# KiCad board robot.kicad_pcb (continued)
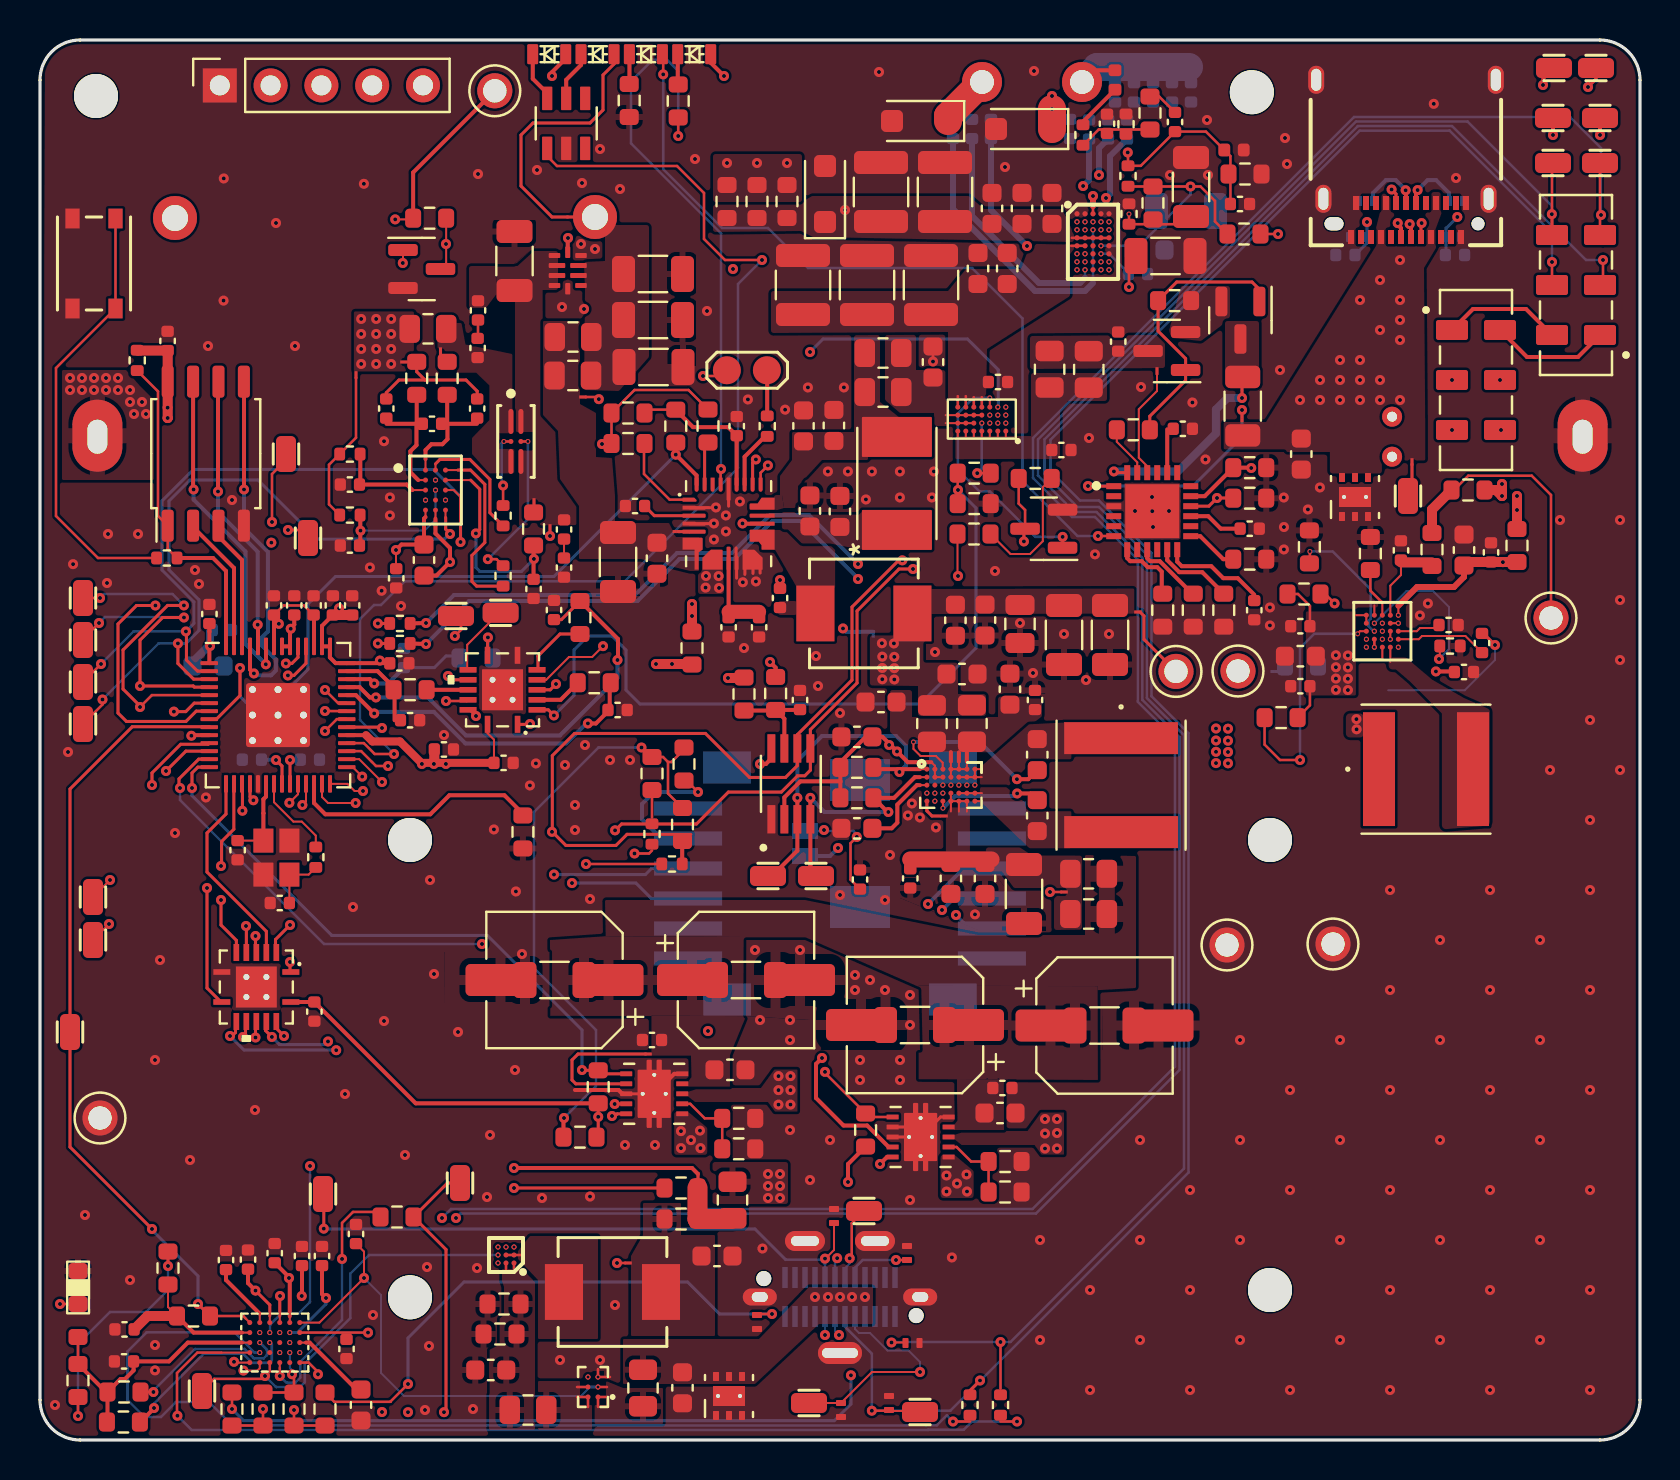
[diagram p0: board, top side]
## Footprints (pads in the part's own frame, mm; a bottom-side part is the same pattern mirrored in y, then rotated) (continued)
NetTie-_SMD_Pad6mil
  rect 0.2x0.152 smd: 1(-0.09,0) 2(0.09,0)
NRS6028T1R5NMGJ
  rect 1.6x5.69 smd: 1(-2.349,0) 2(2.349,0)
ON_Semiconductor-568AL-10_2013-O-MFG
  rrect 1.25x0.25 smd: 1(-1,-0.25) 3(1,-0.25) 4(1,0.25) 6(-1,0.25)
  round 0.25 smd: 2(0,-0.25) 5(0,0.25)
PinSocket_1x05_P2.54mm_Vertical
  rect 1.7x1.7 hole 1: 1(0,0)
  oval 1.7x1.7 hole 1: 2(0,-2.54) 3(0,-5.08) 4(0,-7.62) 5(0,-10.16)
R_0402_1005Metric
  rrect 0.54x0.64 smd: 1(-0.51,0) 2(0.51,0)
R_0603_1608Metric
  rrect 0.8x0.95 smd: 1(-0.825,0) 2(0.825,0)
R_0603_1608Metric_3pin_Switch
  rrect 0.8x0.95 smd: 1(-1.616,0.032) 2(0.034,0.032) 3(1.684,0.032)
R_0805_2012Metric
  rrect 1.025x1.4 smd: 1(-0.912,0) 2(0.912,0)
R_1206_3216Metric
  rrect 1.125x1.75 smd: 1(-1.462,0) 2(1.462,0)
RP2040-QFN-56
  rrect 1.084x1.084 smd: (-0.637,0.637) (-0.637,-0.637) (0.637,0.637) (0.637,-0.637)
  rrect 0.875x0.2 smd: 1(-3.438,2.6) 2(-3.438,2.2) 3(-3.438,1.8) 4(-3.438,1.4) 5(-3.438,1) 6(-3.438,0.6) 7(-3.438,0.2) 8(-3.438,-0.2) 9(-3.438,-0.6) 10(-3.438,-1) 11(-3.438,-1.4) 12(-3.438,-1.8) 13(-3.438,-2.2) 14(-3.438,-2.6) 29(3.438,-2.6) 30(3.438,-2.2) 31(3.438,-1.8) 32(3.438,-1.4) 33(3.438,-1) 34(3.438,-0.6) 35(3.438,-0.2) 36(3.438,0.2) 37(3.438,0.6) 38(3.438,1) 39(3.438,1.4) 40(3.438,1.8) 41(3.438,2.2) 42(3.438,2.6)
  rrect 0.2x0.875 smd: 15(-2.6,-3.438) 16(-2.2,-3.438) 17(-1.8,-3.438) 18(-1.4,-3.438) 19(-1,-3.438) 20(-0.6,-3.438) 21(-0.2,-3.438) 22(0.2,-3.438) 23(0.6,-3.438) 24(1,-3.438) 25(1.4,-3.438) 26(1.8,-3.438) 27(2.2,-3.438) 28(2.6,-3.438) 43(2.6,3.438) 44(2.2,3.438) 45(1.8,3.438) 46(1.4,3.438) 47(1,3.438) 48(0.6,3.438) 49(0.2,3.438) 50(-0.2,3.438) 51(-0.6,3.438) 52(-1,3.438) 53(-1.4,3.438) 54(-1.8,3.438) 55(-2.2,3.438) 56(-2.6,3.438)
  round 0.6 hole 0.35: 57(-1.275,1.275) 57(-1.275,0) 57(-1.275,-1.275) 57(0,1.275) 57(0,0) 57(0,-1.275) 57(1.275,1.275) 57(1.275,0) 57(1.275,-1.275)
  rrect 3.2x3.2 smd: 57(0,0)
SD2114S040S8R0
  rrect 2x3.5 smd: 1(-2.325,0) 2(2.325,0)
SN74AHC125RGYR
  rect 0.28x0.85 smd: 1(-0.75,1.725) 7(-0.75,-1.725) 8(0.75,-1.725) 14(0.75,1.725)
  rect 0.85x0.28 smd: 2(-1.725,1) 3(-1.725,0.5) 4(-1.725,0) 5(-1.725,-0.5) 6(-1.725,-1) 9(1.725,-1) 10(1.725,-0.5) 11(1.725,0) 12(1.725,0.5) 13(1.725,1)
  round 0.5 hole 0.3: PAD(-0.5,0.5) PAD(-0.5,-0.5) PAD(0.5,0.5) PAD(0.5,-0.5)
  rect 2.05x2.05 smd: PAD(0,0)
SOIC-8_5.23x5.23mm_P1.27mm
  rrect 1.6x0.6 smd: 1(-3.6,1.905) 2(-3.6,0.635) 3(-3.6,-0.635) 4(-3.6,-1.905) 5(3.6,-1.905) 6(3.6,-0.635) 7(3.6,0.635) 8(3.6,1.905)
SOP65P400X130-8N
  rrect 1.42x0.4 smd: 1(-1.77,0.975) 2(-1.77,0.325) 3(-1.77,-0.325) 4(-1.77,-0.975) 5(1.77,-0.975) 6(1.77,-0.325) 7(1.77,0.325) 8(1.77,0.975)
SOT95P280X145-6N
  rrect 1.17x0.51 smd: 1(-1.25,0.95) 2(-1.25,0) 3(-1.25,-0.95) 4(1.25,-0.95) 5(1.25,0) 6(1.25,0.95)
SOT-23
  rrect 1.475x0.6 smd: 1(-0.938,0.95) 2(-0.938,-0.95) 3(0.938,0)
SW4_PTS815 SJM 250 SMTR LFS_CNK
  rect 0.991x0.711 smd: 1(-2.25,1.075) 2(2.25,1.075) 3(-2.25,-1.075) 4(2.25,-1.075)
SW_JS202011JCQN
  rrect 1x1.6 smd: 1(-2.5,-1.2) 2(0,-1.2) 3(2.5,-1.2) 4(-2.5,1.2) 5(0,1.2) 6(2.5,1.2)
TestPoint_2Pads_Pitch2mm_SMD
  round 1.4 smd: 1(0,0) 2(2,0)
TestPoint_SMD_0603
  rrect 1.8x1 smd: 1(0,0)
Texas_Instruments-YFF0009-BGA9C40P3X3_119X129X62
  rrect 0.255x0.255 smd: (-0.4,0.4) (-0.4,0) (-0.4,-0.4) (0,0.4) (0,0) (0,-0.4) (0.4,0.4) (0.4,0) (0.4,-0.4)
  round 0.25 smd: A1(-0.4,0.4) A2(0,0.4) A3(0.4,0.4) B1(-0.4,0) B2(0,0) B3(0.4,0) C1(-0.4,-0.4) C2(0,-0.4) C3(0.4,-0.4)
Texas_Instruments-YZF0015-0-0-MFG
  rrect 0.255x0.255 smd: (-0.5,1) (-0.5,0.5) (-0.5,0) (-0.5,-0.5) (-0.5,-1) (0,1) (0,0.5) (0,0) (0,-0.5) (0,-1) (0.5,1) (0.5,0.5) (0.5,0) (0.5,-0.5) (0.5,-1)
  round 0.25 smd: A1(-0.5,1) A2(0,1) A3(0.5,1) B1(-0.5,0.5) B2(0,0.5) B3(0.5,0.5) C1(-0.5,0) C2(0,0) C3(0.5,0) D1(-0.5,-0.5) D2(0,-0.5) D3(0.5,-0.5)
  round 0.245 smd: E1(-0.5,-1) E2(0,-1) E3(0.5,-1)
THT_JumperLead
  round 2.2 hole 1.3: 1(0,0)
THT_Pitch5mm_Drill1.2mm
  round 2 hole 1.2: 1(0,0) 2(5,0)
TPD1E05U06DPYR
  rrect 0.3x0.5 smd: 1(-0.35,0) 2(0.35,0)
TPS22998RYZR
  rrect 0.575x0.25 smd: 1(-0.663,0.75) 4(-0.663,-0.75) 6(0.663,-0.75) 9(0.663,0.75)
  rrect 0.825x0.25 smd: 2(-0.538,0.25) 3(-0.538,-0.25) 7(0.538,-0.25) 8(0.538,0.25)
  rrect 0.25x0.575 smd: 5(0,-0.912) 10(0,0.913)
TVS0500DRVR
  rrect 0.45x0.3 smd: 1(-0.975,0.65) 2(-0.975,0) 3(-0.975,-0.65) 4(0.975,-0.65) 5(0.975,0) 6(0.975,0.65)
  round 0.4 hole 0.2: 7(0,0.55) 7(0,-0.55)
  custom 1x1.6 smd: 7(0,-0.55)
Vishay-IHLP-2020BZ-FP_1.905x2.79-3D_2.0-0-0-MFG
  rect 1.905x2.79 smd: 1(-2.425,0) 2(2.425,0)
WLP-35_7x5_2.828x2.028mm
  rrect 0.255x0.255 smd: (-1.2,0.8) (-1.2,0.4) (-1.2,0) (-1.2,-0.4) (-1.2,-0.8) (-0.8,0.8) (-0.8,0.4) (-0.8,0) (-0.8,-0.4) (-0.8,-0.8) (-0.4,0.8) (-0.4,0.4) (-0.4,0) (-0.4,-0.4) (-0.4,-0.8) (0,0.8) (0,0.4) (0,0) (0,-0.4) (0,-0.8) (0.4,0.8) (0.4,0.4) (0.4,0) (0.4,-0.4) (0.4,-0.8) (0.8,0.8) (0.8,0.4) (0.8,0) (0.8,-0.4) (0.8,-0.8) (1.2,0.8) (1.2,0.4) (1.2,0) (1.2,-0.4) (1.2,-0.8)
  round 0.25 smd: A1(-1.2,0.8) A2(-0.8,0.8) A3(-0.4,0.8) A4(0,0.8) A5(0.4,0.8) A6(0.8,0.8) A7(1.2,0.8) B1(-1.2,0.4) B2(-0.8,0.4) B3(-0.4,0.4) B4(0,0.4) B5(0.4,0.4) B6(0.8,0.4) B7(1.2,0.4) C1(-1.2,0) C2(-0.8,0) C3(-0.4,0) C4(0,0) C5(0.4,0) C6(0.8,0) C7(1.2,0) D1(-1.2,-0.4) D2(-0.8,-0.4) D3(-0.4,-0.4) D4(0,-0.4) D5(0.4,-0.4) D6(0.8,-0.4) D7(1.2,-0.4) E1(-1.2,-0.8) E2(-0.8,-0.8) E3(-0.4,-0.8) E4(0,-0.8) E5(0.4,-0.8) E6(0.8,-0.8) E7(1.2,-0.8)
XTAL_ECS-120-8-36-CKM-TR3
  rect 1.2x1 smd: 1(-0.85,-0.65) 2(0.85,-0.65) 3(0.85,0.65) 4(-0.85,0.65)

## Nets
/1V8: R83.2 R91.2 TP40.1
/3V3: R8.1 R14.1 R15.1 R76.2 R79.2 R80.2 R81.2 R82.2 R84.2 R85.2 R86.1 R87.1 R88.2 R94.2 TP39.1
/BoostRegulator/1V8: C26.1 R20.1 R21.1 R83.1 U5.2 U6.A2 U6.B2 U6.B3
/BoostRegulator/3V3: C24.1 R19.1 R82.1 U5.7
/Charger/PVDD: C69.1 C70.1 U13.12
/MCU/3V3: C5.1 C9.1 C10.1 C11.1 C12.1 C13.1 C14.1 C15.1 C16.1 C17.1 C35.1 Q5.14 R2.1 R86.2 U2.8 U3.1 U3.10 U3.22 U3.33 U3.42 U3.43 U3.44 U3.48 U3.49
/MOTORS/VCC: C40.1 C41.1 C42.1 C43.1 C74.1 C86.1 C89.1 C90.1 NT17.2 R71.1 R72.1 U8.4 U9.4
/PowerMux/VIN_A: C21.1 R52.2 R54.2 U4.A1 U4.A2 U4.A3 U4.A4 U4.A5 U4.A6 U4.A7
/PowerMux/VIN_B: C22.1 C129.2 C130.2 C131.2 C133.2 C135.2 U1.E1 U1.E2 U4.D4 U4.D5 U4.D6 U4.D7
/USB-PD-ExtChg/VBUS_EXT: C20.1 J1.A4 J1.A9 J1.B4 J1.B9 NT1.2 NT2.1 R51.1 U25.4 U25.5 U25.6
/USB-PD-PhonePC/VBUS_Phone: C97.1 J4.A4 J4.A9 J4.B4 J4.B9 R73.2 U24.4 U24.5 U24.6
/USB-PD-PhonePC/VBUS_Phone_PS: NT22.2 R73.1 U16.A1 U16.B1
/Wireless-Receiver/VDD: C126.2 C127.2 U1.F4
GND: BT1.2 C1.2 C2.2 C3.2 C4.2 C5.2 C6.2 C7.2 C8.2 C9.2 C10.2 C11.2 C12.2 C13.2 C14.2 C15.2 C16.2 C17.2 C18.2 C19.2 C20.2 C21.2 C22.2 C23.2 C24.2 C25.2 C26.2 C27.2 C28.2 C29.1 C32.1 C33.1 C34.1 C35.2 C36.2 C37.2 C38.2 C39.2 C40.2 C41.2 C42.2 C43.2 C44.2 C45.2 C46.2 C47.2 C48.2 C49.2 C50.2 C51.2 C52.2 C53.2 C54.2 C55.2 C57.2 C58.2 C64.2 C66.2 C67.2 C68.2 C69.2 C70.2 C71.2 C72.2 C74.2 C75.2 C76.2 C77.2 C78.2 C79.2 C80.2 C81.2 C82.2 C83.2 C85.2 C86.2 C87.2 C88.2 C89.2 C90.2 C91.2 C92.2 C93.2 C94.2 C95.2 C96.2 C97.2 C99.2 C100.2 C101.2 C102.2 C103.2 C104.2 C105.2 C106.2 C107.2 C108.2 C109.2 C111.1 C112.1 C124.1 C125.1 C126.1 C127.1 C129.1 C130.1 C131.1 C132.1 C133.1 C134.1 C135.1 C136.1 C137.1 C138.1 D4.2 D6.2 D10.2 D11.2 IC1.5 IC1.9 J1.25 J1.A1 J1.A12 J1.B1 J1.B12 J2.1 J3.2 J3.MP J4.A1 J4.A12 J4.B1 J4.B12 J4.S1 J4.S2 J4.S3 J4.S4 J4.S5 J5.2 J5.MP Q1.2 Q5.7 Q5.PAD Q6.7 Q6.PAD Q7.2 R9.2 R10.1 R12.2 R13.2 R17.2 R26.2 R27.2 R29.2 R30.2 R53.2 R55.2 R59.1 R60.1 R61.1 R62.2 R63.2 R64.2 R95.1 R97.2 R99.1 R100.2 S2.3 S2.4 SW1.S1 SW1.S2 TH2.2 TP41.1 TP42.1 TP43.1 U1.A1 U1.A2 U1.A4 U1.A5 U1.E5 U1.F5 U2.4 U3.19 U3.57 U4.B1 U4.B2 U4.B3 U4.C1 U4.C2 U4.C3 U4.D1 U5.1 U6.C3 U6.C4 U6.C5 U6.C6 U6.C7 U6.D1 U6.D2 U6.D3 U6.E2 U7.2 U8.5 U8.7 U8.8 U8.11 U9.5 U9.8 U9.11 U11.C5 U11.D4 U11.D6 U12.B2 U12.D1 U13.2 U13.4 U13.13 U13.14 U13.15 U13.16 U13.28 U14.A2 U14.B3 U14.B4 U14.B5 U14.D2 U14.E1 U14.E2 U14.E5 U15.2 U16.C1 U17.C1 U17.C2 U18.3 U18.25 U19.2 U20.2 U21.2 U22.2 U23.2 U24.1 U24.2 U24.3 U24.7 U25.1 U25.2 U25.3 U25.7 U26.2 U27.2 U28.2 U29.2 Y1.2 Y1.4
/ADC0: Q5.2 R16.2 R17.1
/BoostRegulator/IN: C25.1 C27.1 C29.2 R69.2 R70.2 U6.A4 U6.A5 U6.A6 U6.B4
/Charger/BATT: C75.1 C79.1 NT5.1 NT6.1 R77.2 R78.2 U13.6 U13.7 U13.8
/Charger/BATT_SIGNAL: NT5.2 U13.5
/Charger/DISQBAT: R80.1 U13.1
/Charger/SUSPND: R81.1 U13.31
/Charger/V_IN: C67.1 C68.1 D7.2 R67.2 R68.2 U13.22 U13.23
/Charger/VIO: C71.1 R49.1 R79.1 U13.27
/DN1: S3.4 S4.1
/DN2: J1.A7 J1.B7 S3.6 U28.1
/DP1: S3.1 S4.4
/DP2: J1.A6 J1.B6 S3.3 U29.1
/GPIO4: Q1.3 R18.2 U3.6
/GPIO5: U3.7 U4.D2
/GPIO6: R49.2 U3.8 U13.32
/GPIO7: R36.2 TP7.1 U3.9 U11.A1
/GPIO8: Q6.1 Q6.4 Q6.10 Q6.13 U3.11
/GPIO9: U1.G4 U3.12
/GPIO10: R28.2 U3.13 U8.6
/GPIO11: R31.2 U3.14 U9.6
/GPIO12: Q6.3 U3.15
/GPIO13: Q6.6 U3.16
/GPIO14: Q6.8 U3.17
/GPIO15: Q6.11 U3.18
/GPIO20: Q7.3 R8.2 U3.31
/GPIO23: R89.2 U1.H4 U3.35
/I2C0_SCL: R7.2 R15.2 TP16.1 U1.H5 U3.3 U5.6 U8.10 U9.10 U12.E3
/I2C0_SDA: R6.2 R14.2 TP1.1 U1.G5 U3.2 U5.5 U8.9 U9.9 U12.C3
/I2C1_SCL: R35.2 TP2.1 U3.5 U11.C2 U13.24
/I2C1_SDA: R34.2 TP17.1 U3.4 U11.C3 U13.25
/LDOs/LED_3V3: D2.1 U7.6
/LDOs/SYS: C4.1 C85.1 C87.1 R90.2 R92.2 R93.2 U14.A1 U14.B1 U14.E3
/LED_EN: U3.32 U7.1
/LED_PACK: D3.1 U7.5
/MCU/ADC2: Q5.9 TP26.1
/MCU/ADC3: Q5.12 TP27.1
/MCU/D+: R3.1 S3.2 TP20.1
/MCU/D-: R4.1 S3.5 TP21.1
/MCU/GPIO22: Q5.1 Q5.4 Q5.10 Q5.13 U3.34
/MCU/GPIO24: TP10.1 U3.36
/MCU/GPIO25: TP33.1 U3.37
/MCU/GPIO26_ADC0: C39.1 R25.1 U3.38
/MCU/GPIO27_ADC1: C38.1 R24.1 U3.39
/MCU/GPIO28_ADC2: C37.1 R23.1 U3.40
/MCU/GPIO29_ADC3: C36.1 R22.1 U3.41
/MCU/QSPI_SCLK: U2.6 U3.52
/MCU/QSPI_SD0: U2.5 U3.53
/MCU/QSPI_SD1: U2.2 U3.55
/MCU/QSPI_SD2: U2.3 U3.54
/MCU/QSPI_SD3: U2.7 U3.51
/MCU/QSPI_SS: R1.1 R2.2 U2.1 U3.56
/MCU/RUN: R10.2 U3.26
/MCU/SWCLK: J2.2 U3.24
/MCU/SWD: J2.3 U3.25
/MCU/UART_CTS: TP11.1 U3.29
/MCU/UART_RTS: TP24.1 U3.30
/MCU/UART_RX: J2.5 U3.28
/MCU/UART_TX: J2.4 U3.27
/MCU/XIN: C2.1 U3.20 Y1.1
/MCU/XOUT: R5.1 U3.21
/MCU/~{USB_BOOT}: R1.2 S2.1 S2.2
/MOTORS/ENC_11: J5.3 Q6.2
/MOTORS/ENC_12: J5.4 Q6.5
/MOTORS/ENC_21: J3.4 Q6.9
/MOTORS/ENC_22: J3.3 Q6.12
/MOTORS/ENC_VCC: J3.5 J5.5 R84.1
/MOTORS/OUT_N1: J5.6 U8.1
/MOTORS/OUT_N2: J3.1 U9.1
/MOTORS/OUT_P1: J5.1 U8.3
/MOTORS/OUT_P2: J3.6 U9.3
/MOTORS/VIO: C44.1 Q6.14 R28.1 R31.1 R85.1
/PowerMux/FLAG: Q1.1 U4.D3
/PowerMux/VIO: R18.1 R76.1
/PowerMux/VOUT: C23.1 R67.1 R68.1 U4.B5 U4.B6 U4.B7 U4.C4 U4.C5 U4.C6 U4.C7
/Protection/PACK+: C106.1 C107.1 C108.1 IC1.6 IC1.7 IC1.8 NT7.1 R77.1 R78.1 TP29.1
/Protection/RC2: Q7.1 U12.D3
/SCL_SL: R7.1 U11.B2
/SDA_SL: R6.1 U11.B3
/SYS: C1.1 C76.1 C78.1 C81.1 C82.1 C83.1 L2.2 NT11.1 NT14.2 NT20.1 R11.2 R69.1 R70.1 U13.9 U13.10 U13.11
/USB-PD-ExtChg/CC1: C18.1 J1.A5 R63.1 TP22.1 U18.17 U26.1
/USB-PD-ExtChg/CC2: C19.1 J1.B5 R64.1 TP23.1 U18.16 U27.1
/USB-PD-ExtChg/VOUT: C105.1 NT4.1 Q4.3 R52.1 R54.1
/USB-PD-PhonePC/DN_EXT: J4.A7 J4.B7 R32.1 S4.2 TP13.1 U15.1
/USB-PD-PhonePC/DN_EXT_PR: R32.2 U11.D1
/USB-PD-PhonePC/DN_Switched: S4.3 TP15.1 U11.E1
/USB-PD-PhonePC/DP2_Switched: S4.6 TP8.1 U11.E2
/USB-PD-PhonePC/DP_EXT: J4.A6 J4.B6 R33.1 S4.5 TP14.1 U19.1
/USB-PD-PhonePC/DP_EXT_PR: R33.2 U11.D2
/USB-PD-PhonePC/GPIO0: R37.2 R38.1 U11.E6
/USB-PD-PhonePC/GPIO1: R39.2 R40.1 U11.B4
/USB-PD-PhonePC/GPIO3: R37.1 R39.1 U11.D5
/USB-PD-PhonePC/GPIO4: R65.2 U11.E4
/USB-PD-PhonePC/GPIO5: TP6.1 U11.E3 U17.B3
/USB-PD-PhonePC/USB_Phone_SYS: NT18.2 R11.1 R57.2 R75.1
/USB-PD-PhonePC/VCIN: C47.1 NT18.1 U11.A5
/USB-PD-PhonePC/VIO1: C54.1 R36.1 R87.2 U11.B1
/USB-PD-PhonePC/VIO2: C53.1 R34.1 R35.1 R88.1 R95.3 U11.C1
/VBoost: C32.2 C33.2 C34.2 C91.1 NT15.1 NT16.2 R71.2 R72.2 U6.D4 U6.E4 U6.E5 U6.E6
/VRect: C132.2 C134.2 C136.2 C137.2 C138.2 D10.1 Q5.5 R103.2 R104.2 R105.2 U1.D1 U1.D2 U1.D3 U1.D4 U1.D5
/Wireless-Receiver/IEXT: R103.1 R104.1 R105.1 U1.A3
/Wireless-Receiver/VAA: C124.2 C125.2 R89.1 R98.2 R102.1 U1.E4
Net-(BT1-+): BT1.1 NT10.1 NT13.2 R44.2 TP28.1
Net-(C3-Pad1): C3.1 R5.2 Y1.3
Net-(C30-Pad2): C30.2 L1.1 U6.A7 U6.B5 U6.B6 U6.B7
Net-(C31-Pad1): C31.1 L1.2 U6.D5 U6.D6 U6.D7 U6.E7
Net-(C59-Pad2): C59.2 C61.1 NT10.2 R43.2
Net-(C62-Pad1): C62.1 NT12.1 Q2.1 Q2.3 R44.1
Net-(C62-Pad2): C62.2 C63.1
Net-(C65-Pad2): C65.2 C66.1
Net-(C73-Pad2): C73.2 L2.1 U13.17 U13.18 U13.19
Net-(C84-Pad1): C84.1 L3.1 U14.C4 U14.D4
Net-(C100-Pad1): C100.1 R12.1 R13.1 R74.2 U17.A1 U17.A2
Net-(C101-Pad1): C101.1 L4.1 NT21.2 R57.1
Net-(C110-Pad2): C110.2 R96.2
Net-(C112-Pad2): C112.2 R96.1 R100.1 R101.2
Net-(D1-A): D1.2 NT11.2
Net-(D1-K): D1.1 R56.1
Net-(D2-A): C92.1 C93.1 D2.2 R94.1 U14.A5 U14.C3
Net-(D3-A): D3.2 NT7.2
Net-(D4-K): C113.2 C114.2 C115.2 C116.2 C117.2 C119.2 C121.2 C122.1 C128.2 D4.1 U1.B4 U1.B5 U1.C4 U1.C5
Net-(D5-A): D5.2 U18.6
Net-(D5-K): D5.1 R97.1
Net-(D6-K): C118.2 C120.2 C122.2 C123.2 D6.1 J8.1 U1.B1 U1.B2 U1.C1 U1.C2
Net-(D7-Cathode): C77.1 C80.1 D7.1 U13.21
Net-(D9-A): C113.1 C114.1 C116.1 C119.1 C121.1 D9.2 J8.2
Net-(D9-K): D9.1 R101.1
Net-(D11-K): C110.1 C111.2 D11.1 R98.1 R99.2 U1.F2
Net-(IC1-ON): C99.1 IC1.10 SW1.1
Net-(IC1-VBIAS): C63.2 C65.1 C96.1 IC1.1 IC1.2 IC1.3 IC1.4 NT8.1 NT9.1 Q2.4 Q2.6
Net-(J4-CC1): C46.1 J4.A5 TP3.1 U11.A3 U23.1
Net-(J4-CC2): C45.1 J4.B5 TP4.1 U11.A4 U22.1
Net-(J4-SBU1): J4.A8 R38.2 U21.1
Net-(J4-SBU2): J4.B8 R40.2 U20.1
Net-(L4-Pad2): L4.2 U17.B1 U17.B2
Net-(NT1-Pad1): NT1.1 TP9.1
Net-(NT6-Pad2): NT6.2 TP12.2
Net-(NT9-Pad2): NT9.2 R48.1
Net-(NT12-Pad2): NT12.2 R45.2
Net-(NT13-Pad1): NT13.1 R41.1 R42.1
Net-(NT14-Pad1): NT14.1 TP30.1
Net-(NT16-Pad1): NT16.1 TP34.1
Net-(NT20-Pad2): NT20.2 R90.1
Net-(Q2-GATE1): Q2.2 R46.1
Net-(Q2-GATE2): Q2.5 R47.1
Net-(Q3-D): NT3.1 Q3.3 R51.2
Net-(Q3-G): Q3.1 Q4.1 R58.1 R66.2
Net-(Q3-S): Q3.2 Q4.2 R66.1
Net-(Q5-1Y): Q5.3 R25.2
Net-(Q5-2Y): Q5.6 R24.2
Net-(Q5-3Y): Q5.8 R23.2
Net-(Q5-4Y): Q5.11 R22.2
Net-(R50-Pad2): R50.2 TP12.1
Net-(R74-Pad1): R74.1 U16.A2 U16.B2
Net-(SW1-B): NT8.2 SW1.2
Net-(U1-BOOT1): C128.1 U1.B3
Net-(U1-BOOT2): C123.1 U1.C3
Net-(U1-COMA1): C115.1 U1.G1
Net-(U1-COMA2): C118.1 U1.G2
Net-(U1-COMB1): C117.1 U1.H1
Net-(U1-COMB2): C120.1 U1.H2
Net-(U1-NTC): C109.1 R102.2 TH2.1 U1.F1
Net-(U3-USB_DM): R4.2 U3.46
Net-(U3-USB_DP): R3.2 U3.47
Net-(U3-VREG_VOUT): C6.1 C7.1 C8.1 U3.23 U3.45 U3.50
Net-(U4-VINA_S): R16.1 U4.B4
Net-(U5-A1): R21.2 TP18.1 U5.3 U6.A1
Net-(U5-A2): R20.2 TP19.1 U5.4 U6.B1
Net-(U5-EN): R19.2 U5.8
Net-(U6-BST1): C30.1 U6.A3
Net-(U6-BST2): C31.2 U6.E3
Net-(U6-FB): NT15.2 U6.E1
Net-(U6-VL): C28.1 U6.C1
Net-(U8-ISENSE): R26.1 R29.1 U8.2
Net-(U9-A0): NT17.1 U9.7
Net-(U9-ISENSE): R27.1 R30.1 U9.2
Net-(U11-AVL): C49.1 U11.C6
Net-(U11-SYS): C48.1 R75.2 U11.B6
Net-(U11-VBUS): C50.1 NT22.1 U11.A6
Net-(U11-VDD1P1): C51.1 U11.A2
Net-(U11-VDD1P8): C52.1 U11.B5
Net-(U12-BAT): C57.1 R42.2 U12.C2
Net-(U12-CHG): R46.2 U12.A2
Net-(U12-DSG): R47.2 U12.A3
Net-(U12-PACKP): C64.1 R48.2 U12.B3
Net-(U12-REG25): C55.1 C56.1 TH1.1 U12.E1
Net-(U12-SRN): C59.1 C60.1 R43.1 U12.B1
Net-(U12-SRP): C60.2 C61.2 R45.1 U12.A1
Net-(U12-TS): C56.2 TH1.2 U12.E2
Net-(U12-VPWR): C58.1 R41.2 U12.C1
Net-(U13-BST): C73.1 U13.20
Net-(U13-EXTSM): R50.1 U13.26
Net-(U13-STAT): R56.2 U13.29
Net-(U13-VDD): C72.1 U13.3
Net-(U14-BST): C84.2 U14.D5
Net-(U14-EN1): R92.1 U14.D1
Net-(U14-ENLDO): R93.1 U14.C1
Net-(U14-LDO): C88.1 R91.1 U14.A4
Net-(U14-LXA): L3.2 U14.E4
Net-(U14-RSET_IPK): R55.1 U14.C2
Net-(U14-RSET_LDO): R9.1 U14.B2
Net-(U14-RSET_SBB1): R53.1 U14.A3
Net-(U14-SBB0): C94.1 U14.C5
Net-(U14-SBB2): C95.1 U14.D3
Net-(U16-ON): R65.1 TP5.1 U16.C2
Net-(U17-MODE): R95.2 U17.C3
Net-(U17-VIN): NT21.1 U17.A3
Net-(U18-IFB): C104.1 U18.15
Net-(U18-ISENP): NT2.2 U18.1
Net-(U18-PSEL): R62.1 U18.13
Net-(U18-PWR_EN): R58.2 U18.23
Net-(U18-V3VD): C102.1 U18.12
Net-(U18-V5V): C103.1 U18.20
Net-(U18-VBUS): NT4.2 U18.22
Net-(U18-VCC): NT3.2 U18.24
Net-(U18-VSEL0): R60.2 U18.9
Net-(U18-VSEL1): R59.2 U18.7
Net-(U18-VSEL2): R61.2 U18.11

Pads without a net: J1 A2 A3 A8 A10 A11 B2 B3 B8 B10 B11; J4 A2 A3 A10 A11 B2 B3 B10 B11; U1 E3 F3 G3 H3; U6 C2; U7 3 4; U11 C4 D3 E5; U12 D2; U13 30; U18 2 4 5 8 10 14 18 19 21

## Via types
v1: diameter 0.5, hole 0.2, Top Layer to Bottom Layer, 608 vias
v2: diameter 0.25, hole 0.15, Top Layer to Bottom Layer, 83 vias

## Routing (per net, layer and track width the routed paths; a pad name or vN(x,y) marks a point on that pad's centre or on a via; arc(x,y) is an arc through that point)
/1V8: length 14.2
  Top Layer w0.127: TP40.1 75.55,47.25 74.59,48.21 71.41,48.21 70.7,47.5 70.57,47.5
  Top Layer w0.5: 69.6,45.53 69.6,46.53 70.57,47.5
/3V3: length 201.3
  Top Layer w0.1: v1(45.9,43.2) 45.88,43.22 R76.2 ; v1(17.76,61.03) 18.6,61.03 R8.1
  Top Layer w0.127: v1(1.9,1.2) R88.2 ; 31.4,33.9 31.4,32.33 R15.1 ; 31.4,33.9 31.58,33.9 32.2,34.53 ; 31.4,33.9 31.15,34.15 R14.1 ; R80.2 R79.2 29.72,52.5 32.42,52.5 R81.2
  Top Layer w0.152: R87.1 v1(6.4,8.7) ; v1(28.1,49.8) 28.55,49.8 R80.2
  Top Layer w0.2: TP39.1 18.66,63.38 R8.1 ; R85.2 26.17,16.07
  Top Layer w0.5: v1(34.4,38.1) 35.17,38.1 R82.2 ; R86.1 v1(32.6,41.8) ; R94.2 v1(73.85,47.2)
  Signal Layer 1 w0.1: v1(17.76,61.03) 16.94,60.21 16.94,58.28 18.98,56.24 18.98,48.48 18.4,47.9 18.4,46.9 18.95,46.35 26.45,46.35 28.1,48 v1(28.1,49.8)
  Signal Layer 1 w0.127: v1(30.08,34.62) 28.22,34.62 24.84,31.24 24.04,31.24 6.4,13.6 v1(6.4,8.7)
  Signal Layer 2 w0.1: v1(45.9,43.2) 45.9,41.53
  Signal Layer 2 w0.152: v1(28.1,49.8) 28.1,48.1 32.6,43.6 v1(32.6,41.8)
  Signal Layer 2 w0.5: v1(34.4,38.1) 37.2,38.1 ; 37.2,38.1 37.2,35.77 37.22,35.75 36.5,35.03 30.48,35.03 v1(30.08,34.62) ; 37.2,38.1 37.2,41.33 37,41.53 ; 69.3,43.03 71.32,45.05 72.8,45.05 73.85,46.1 v1(73.85,47.2)
  Signal Layer 2 w1.2: 69.3,43.03 49,43.03 47.5,41.53 32.93,41.53
  Bottom Layer w0.127: 6.4,8.8 6.4,7.5 5.3,6.4 3.5,6.4 1.9,4.8 v1(1.9,1.2) ; v1(30.08,34.62) 27.92,34.62 24.7,31.4 24.7,23.6 27.8,20.5 27.8,17.7 v1(26.2,16.1)
  vias: v1(32.6,41.2) v1(73.85,46.5)
/BoostRegulator/1V8: length 60
  Top Layer w0.1: 44.57,33.89 44.74,33.71 U6.A2 U6.B2 U6.B3
  Top Layer w0.2: R20.1 40.02,32.93 ; 40.02,32.93 38.02,32.93 37.22,32.13 U5.2 ; 40.02,32.93 R21.1 ; 40.1,33.63 40.1,33.96 41.29,35.16 C26.1 42.12,35.16 v1(42.85,34.43) 43.39,33.89 44.57,33.89
  Top Layer w0.5: R83.1 72.8,47.5 v1(73.1,47.2) v1(73.1,47.8)
  Signal Layer 1 w0.5: 42.78,34.43 v1(42.46,34.75) ; v1(42.85,34.43) 43.47,34.43 44.6,33.3 45.7,33.3 46.3,33.9 53,33.9 55.47,31.43 67.63,31.43 71.7,35.5 71.7,45 73.1,46.4 v1(73.1,47.8)
/BoostRegulator/3V3: length 4.9
  Top Layer w0.2: R19.1 37.22,36.07 U5.7 ; R19.1 37.98,36.5 C24.1 ; R19.1 36.75,36.47 R82.1
/Charger/PVDD: length 4.2
  Top Layer w0.2: U13.12 34.43,41.41
  Top Layer w0.7: 35.95,41.41 34.43,41.41
/MCU/3V3: length 119.2
  Top Layer w0.1: C35.1 22.7,35.02 22.38,35.34 22.38,35.78
  Top Layer w0.127: 19.72,33.95 19.7,33.93 19.7,33.83
  Top Layer w0.152: 11.8,34 12.1,33.7 U3.22
  Top Layer w0.2: 7.57,35.24 7.58,35.24 U3.10 ; 17.48,38.84 U3.42 14.78,38.84 14.5,39.13 14.5,39.68 U3.43 U3.44 14.1,40.71 C10.1 ; U3.49 U3.48 12.5,40.55 12.71,40.76 12.71,41.22 ; U3.33 16.3,35.24 ; C15.1 8.47,40.43 8.47,38.85 U3.1
  Top Layer w0.4: 16.3,35.24 16.62,34.93 18,34.93 19.07,33.86 22.4,33.86
  Top Layer w0.5: R2.1 4.88,54.47 C5.1 6.38,54.47 U2.8 6.38,51.1 v1(6.38,51.1) ; C13.1 19.72,33.95 ; C10.1 C16.1 ; 32.6,38.78 32.58,38.8 v1(30.8,38.8)
  Signal Layer 1 w0.2: v1(11.57,44.87) 11.04,45.4 8,45.4 6.38,47.02 v1(6.38,51.62)
  Signal Layer 2 w0.152: 12,43.9 12,44.44 v1(11.57,44.87)
  Signal Layer 2 w0.4: v1(20.3,33.8) v1(19.1,33.8) 18.7,34.2 18.7,38.8 ; 18.7,38.8 19.8,38.8 20.2,39.2 20.2,43.1 18.25,45.05 18.25,48.86 ; 18.7,38.8 17.17,38.8 v1(17,38.97) ; v1(7.57,35.21) 8.78,34 11.8,34
  Signal Layer 2 w1: 12.81,40.56 14.46,40.56 15.2,41.29 15.2,43.1 14.4,43.9 ; v1(31.6,38.8) 31.1,38.8 29.2,40.7 29.2,43.8 26.62,46.38 26.62,48.86 22.93,48.86 22.68,49.1 18.5,49.1 18.25,48.86 15.44,48.86 14.4,47.81 14.4,43.9 ; 14.4,43.9 8.9,43.9 8.9,36.54 v1(7.57,35.21)
  Bottom Layer w0.2: C14.1 11.78,34.02
  Bottom Layer w0.4: C11.1 8.5,40.38 v1(8.5,39.7) 8.43,39.7 7.67,38.94
  vias: v1(11.8,34) v1(12.54,40.56) v1(14.95,41.59) v1(19.7,33.8)
/PowerMux/VIN_A: length 2.2
  Top Layer w0.1: U4.A5 46.69,50.12 ; U4.A4 47.09,50.12 ; U4.A7 45.89,50.12 ; U4.A1 48.29,50.12 ; U4.A2 47.89,50.12 ; U4.A3 47.49,50.12 ; U4.A6 46.29,50.12
/PowerMux/VIN_B: length 2.8
  Top Layer w0.127: U4.D5 46.69,52.14 ; U4.D7 45.89,52.19 ; U1.E2 51.56,59.71 ; U4.D6 46.29,52.19 ; U4.D4 47.09,52.14
/USB-PD-ExtChg/VBUS_EXT:
  vias: v1(63,52) v1(64,53) v1(64,52) v1(65,54) v1(65,53) v1(65,52) v1(66,57) v1(66,54) v1(66,53) v1(66,52) v1(67,58) v1(67,55.5) v1(67,53) v1(67,52) v1(68,59) v1(68,57) v1(68,56) v1(68,55) v1(68,52)
/USB-PD-PhonePC/VBUS_Phone:
  vias: v1(38.75,7.15) v1(39.4,7.15) v1(40,7.15) v1(40.6,7.15) v1(41.25,7.15)
/USB-PD-PhonePC/VBUS_Phone_PS: length 1.4
  Top Layer w0.127: 28.35,2.15 U16.A1 27.9,1.65 ; v2(27.9,2.65) 28.35,2.65
/Wireless-Receiver/VDD: length 4.2
  Top Layer w0.127: C127.2 54.45,58.85 v1(54.45,57.65)
  Bottom Layer w0.127: v1(54.45,57.65) 54.45,58.27 C126.2 54.42,58.35 53.46,59.31 v2(53.05,59.31)
GND: length 18.8
  Top Layer w0.1: U14.A2 66.72,41.73 ; U14.B4 67.91,40.84
  Top Layer w0.127: U14.D2 v2(66.72,39.64) ; C23.2 v1(44.65,53.92) 44.65,54 ; 28.5,3.15 v2(27.9,3.15) 27.9,3.55
  Top Layer w0.152: U13.13 34.83,43.09 ; U8.11 43.53,15.65 U8.7 ; U8.11 U8.8 ; U8.11 45.03,16.15 U8.5 ; U13.16 36,43.35 ; U13.15 35.65,43.33 ; U13.4 33.51,45.82 ; U9.8 U9.11 ; U13.28 34.43,46.69 ; U13.2 33.51,46.62 ; U13.14 35.24,43.28
  Top Layer w0.2: U9.5 31.71,18.31 U9.11 ; 26.75,17.5 28.92,17.5 29.12,17.31 U9.8
  Bottom Layer w0.127: 66.31,39.65 v2(66.32,39.64)
  vias: v1(0.75,1.75) v1(1.4,34.4) v1(1.65,43.79) v1(2.25,11.25) v1(3.4,45.3) v1(3.35,42.85) v1(4.5,8) v1(4.9,45.3) v1(5.75,19) v1(5.75,4.75) v1(5.75,3.48) v1(6,24) v1(6.75,30.35) v1(7.5,14) v1(7.75,43.5) v1(7.95,42.8) v1(8.3,32.13) v1(8.4,54.7) v1(9.19,63.08) v1(9.18,56.97) v1(9.6,47) v1(10.75,16.5) v1(11.8,60.85) v1(12.75,54.7) v1(15.25,17.3) v1(15.65,26.65) v1(16.19,62.81) v1(16.5,43.63) v1(16.65,6.25) v1(17.08,42.46) v1(17.2,49.94) v1(17.2,20.95) v1(17.5,47.13) v1(17.5,46.23) v1(18.05,41.7) v1(18.25,14.25) v1(19.25,1.5) v1(19.35,8.65) v1(19.5,28) v1(19.45,4.7) v1(19.7,23.3) v1(20.2,35.25) v1(20.9,20.4) v1(21.65,1.55) v1(21.85,8.6) v1(21.9,63.3) v1(22.35,12.15) v1(22.5,15.25) v1(22.7,30.53) v1(23.8,27.43) v1(23.75,18.5) v1(24.1,24.3) v1(24.5,32.73) v1(24.85,63.5) v1(24.8,33.83) v1(25.1,12.1) v1(26,4) v1(26.1,56.65) v1(26.25,33.75) v1(26.75,31.75) v1(26.75,30.5) v1(27.05,59.8) v1(27.1,62.85) v1(27.2,56.55) v1(27.25,34.75) v1(27.5,27.05) v1(27.5,12.17) v1(27.75,59.55) v1(28,64.55) v1(28,4) v1(28.5,34) v1(28.75,6.75) v1(29,62.55) v1(29.25,14.75) v1(29.5,34) v1(30.75,14.75) v1(32.75,64.05) v1(33.35,56.45) v1(33.4,20.45) v1(33.7,45.83) v1(33.7,45.03) v1(33.8,46.63) v1(34.3,46.23) v1(34.3,45.43) v1(35,46.93) v1(35.14,42.89) v1(35.2,39.6) v1(35.4,52.03) v1(35.8,42.93) v1(35.75,24.5) v1(36,21) v1(36.12,9.57) v1(37.26,51.52) v1(37.5,21) v1(37.5,20) v1(37.5,15.5) v1(38,24.5) v1(38.4,52.63) v1(38.5,13) v1(38.8,39.2) v1(38.9,37.7) v1(39.4,48.43) v1(39.5,15) v1(40,36.35) v1(40,27.25) v1(40.2,52.63) v1(40.4,48.43) v1(40.75,23.25) v1(40.75,22.5) v1(41,19) v1(41,18) v1(41.3,47.03) v1(41.5,23) v1(41.6,48.43) v1(41.95,68.4) v1(42.25,27) v1(42.25,22.5) v1(42.5,29.25) v1(43,48.43) v1(43,47.13) v1(43,19) v1(43,18) v1(43.4,31.23) v1(43.5,22.25) v1(43.5,20.75) v1(43.5,12) v1(43.6,31.83) v1(44,31.13) v1(44.6,47.13) v1(44.7,48.43) v1(44.75,39.4) v1(44.8,30.63) v1(45.6,9.13) v1(46.75,26.28) v1(47.75,43.45) v1(48.25,63.65) v1(49,40.85) v1(49.7,68.45) v1(49.65,38.35) v1(50,10) v1(50,5) v1(51.2,40.3) v1(52.3,38) v1(52.45,50.1) v1(52.5,7.5) v1(52.5,2.5) v1(52.75,44.28) v1(53.45,40.3) v1(54.75,46.45) v1(55.05,52.65) v1(55,15) v1(55,10) v1(55,5) v1(55.6,47.15) v1(55.61,46.44) v1(55.65,45.65) v1(56.5,63.25) v1(56.45,46.45) v1(57.5,12.5) v1(57.5,7.5) v1(57.5,2.5) v1(57.62,51.88) v1(58.35,66) v1(58.27,49.03) v1(58.4,63.25) v1(60,20) v1(60,15) v1(60,10) v1(60,5) v1(61.5,41.63) v1(61.5,40.73) v1(62,53.5) v1(62.25,65.1) v1(62.19,47.12) v1(62.2,45.65) v1(62.2,44.53) v1(62.35,63.8) v1(62.5,17.5) v1(62.5,12.5) v1(62.5,2.5) v1(63.4,46.53) v1(64,47.63) v1(65,20) v1(65,15) v1(65,10) v1(65,5) v1(67.5,27.5) v1(67.5,22.5) v1(67.5,17.5) v1(67.5,12.5) v1(67.5,7.5) v1(67.5,2.5) v1(69,41.23) v1(69.4,41.83) v1(69.69,66.81) v1(70,25) v1(70,20) v1(70,15) v1(70,10) v1(70,5) v1(70.8,63.1) v1(72.5,27.5) v1(72.5,22.5) v1(72.5,17.5) v1(72.5,12.5) v1(72.5,7.5) v1(72.5,2.5) v1(75,25) v1(75,20) v1(75,15) v1(75,10) v1(75,5) v1(75.5,33.5) v1(76,46) v1(77.5,36) v1(77.5,31) v1(77.5,27.5) v1(77.5,22.5) v1(77.5,17.5) v1(77.5,12.5) v1(77.5,7.5) v1(77.5,2.5) v1(79,46) v1(79,42) v1(79,39) v1(79,33.5) v2(11.99,4.37) v2(12.49,4.87) v2(12.99,4.37) v2(19.28,46.99) v2(19.77,48) v2(23.3,9.65) v2(23.7,9.65) v2(44.34,32.34) v2(44.74,32.34) v2(44.74,31.94) v2(45.14,32.74) v2(45.14,32.34) v2(45.54,32.74) v2(45.94,32.74) v2(46.34,32.74) v2(46.74,32.74) v2(47.49,51.24) v2(47.49,50.84) v2(47.89,51.24) v2(47.89,50.84) v2(48.29,51.64) v2(48.29,51.24) v2(48.29,50.84) v2(67.12,40.84) v2(67.92,40.84) v2(67.92,39.64)
/ADC0: length 38.5
  Top Layer w0.127: R17.1 R16.2
  Top Layer w0.152: 24.9,36.51 25.41,36.51 v1(25.7,36.23)
  Bottom Layer w0.152: v1(25.7,36.23) 26.7,37.23 26.7,39.5 27.4,40.2 28.6,40.2 29.3,39.5 29.3,37.5 30,36.8 44,36.8 46.8,39.6 46.8,46.6 v1(45.9,47.5)